# Altium PCB PCB1.PcbDoc (part 1 of 2)
Units mm, origin at the board's own origin, x right, y up, seen from the top; angles counter-clockwise.
Board outline 228.75 x 76.35 mm, 2 copper layers (Top Layer, Bottom Layer); 114 components, 129 nets, 731 pads, 121 vias.
Unrouted connection lines stored in the file: 10.
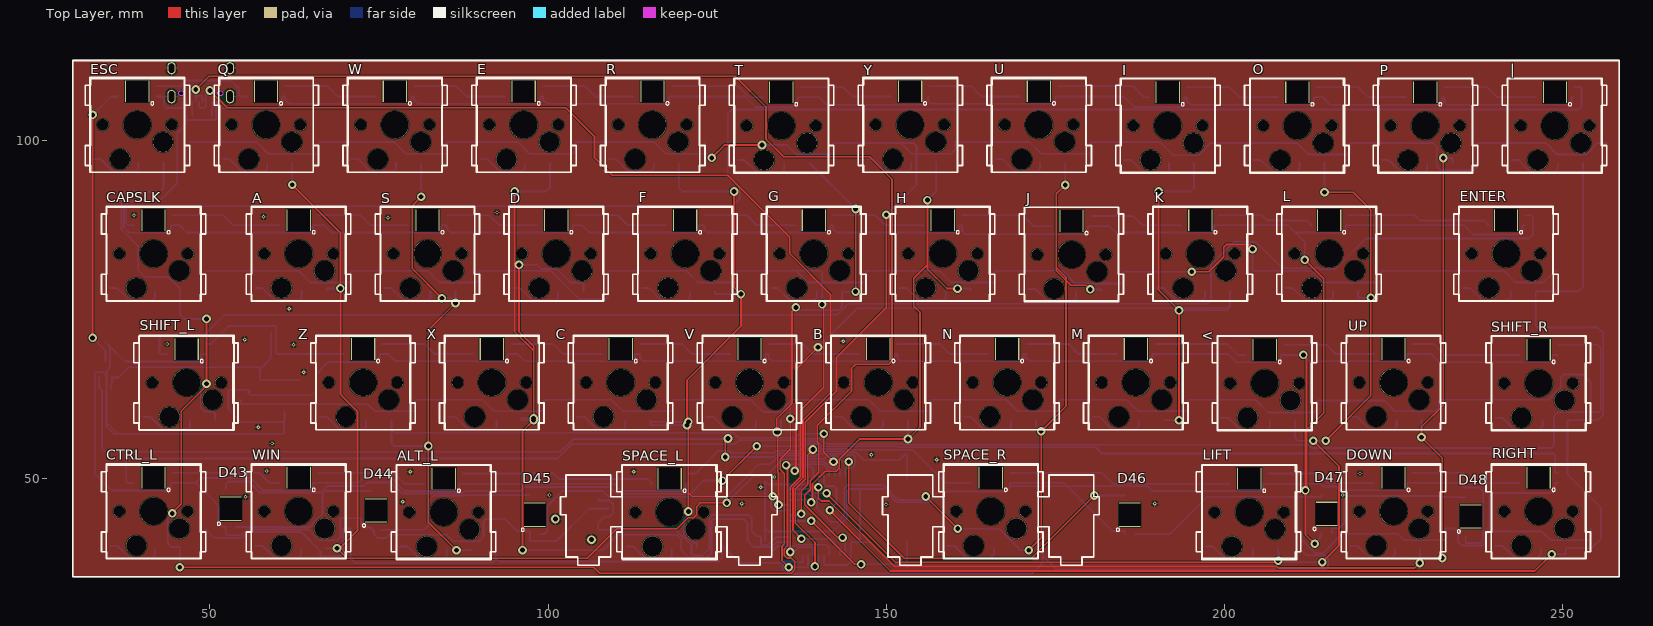
[diagram p0: Top Layer view]
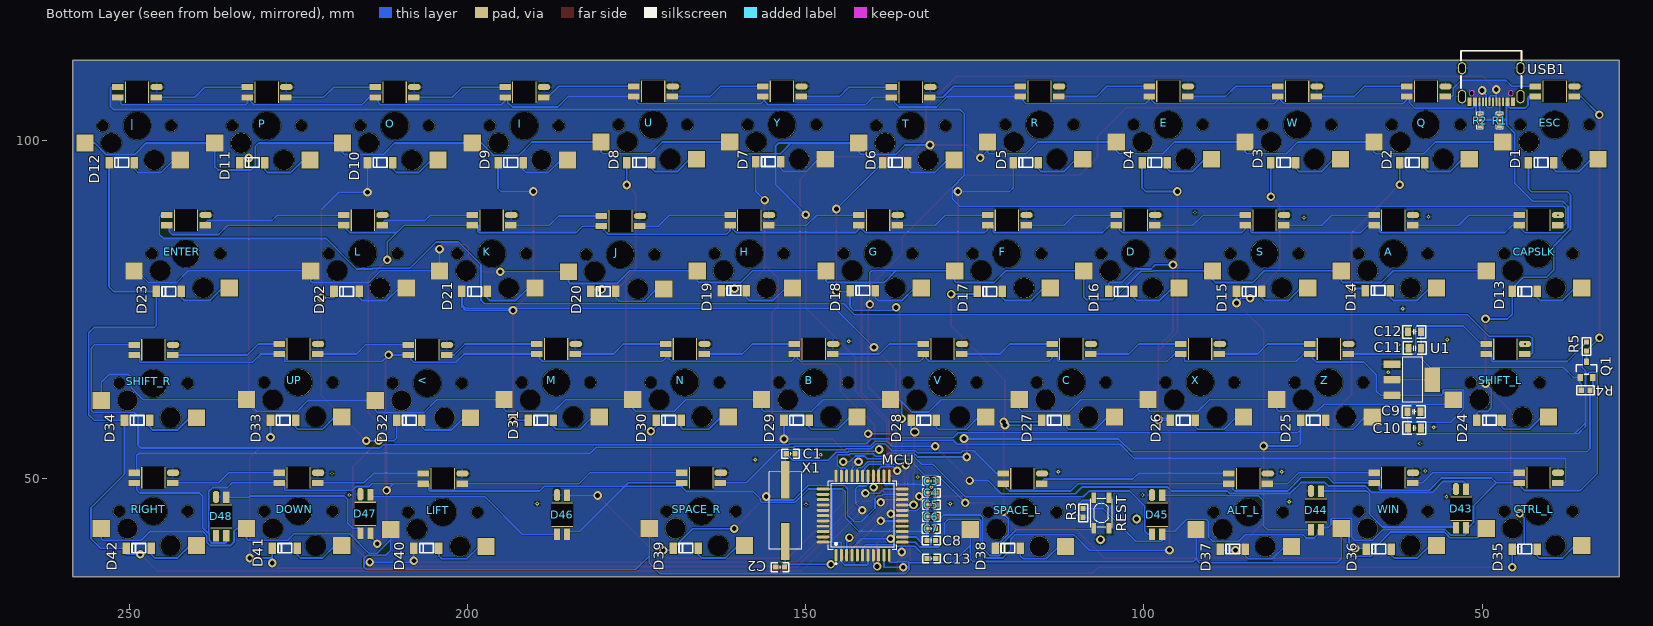
[diagram p1: Bottom Layer view, seen from below]
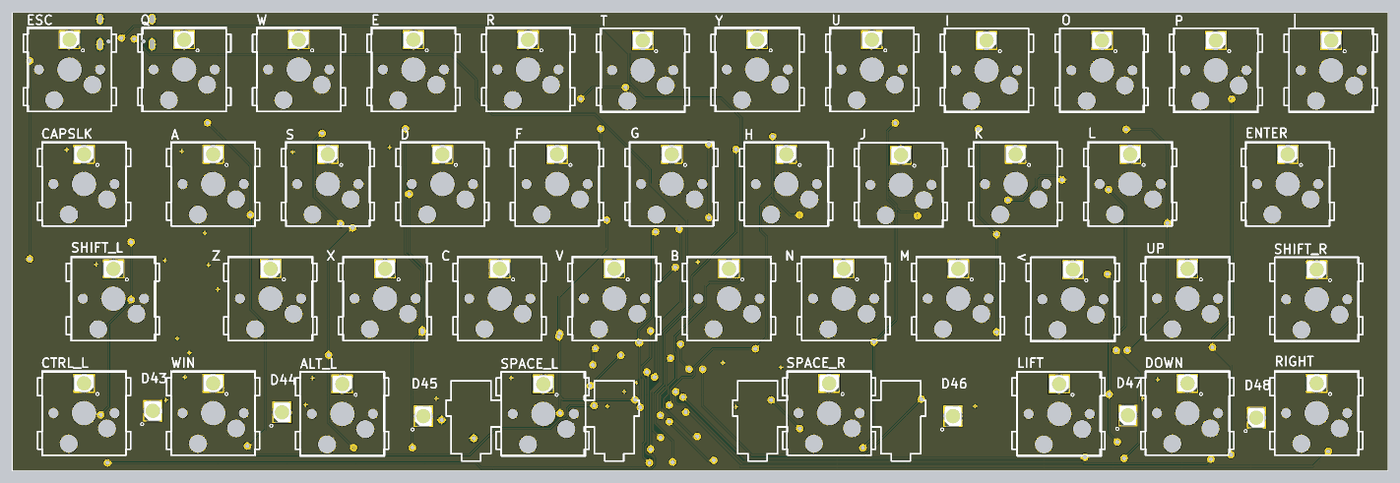
[diagram p3: 3D render of the assembled board from above, using the file's embedded part models]
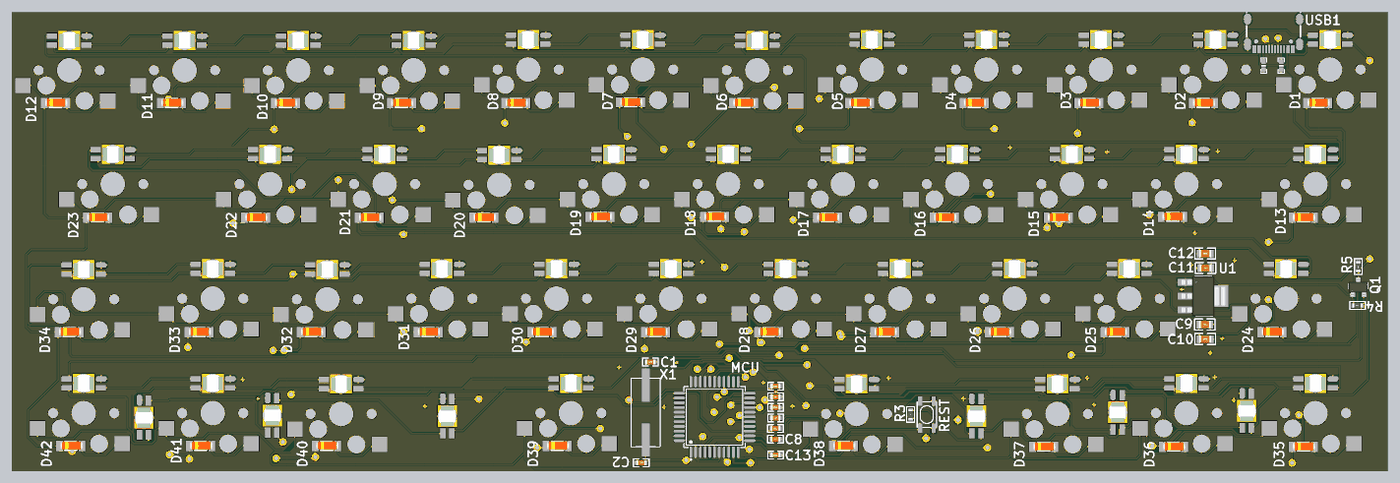
[diagram p4: 3D render of the assembled board from below, using the file's embedded part models]

## Layer stack, top to bottom
Top Solder: solder mask 0.0102, Solder Resist, Dk 3.5
Top Layer: signal copper 0.0356
Dielectric 1: dielectric 0.32, FR-4, Dk 4.8
Bottom Layer: signal copper 0.0356
Bottom Solder: solder mask 0.0102, Solder Resist, Dk 3.5

## Board outline
29.686,35.54 29.686,111.891 258.436,111.891 258.436,35.54

## Design rules (kind name [scope] priority, off if disabled: settings)
Clearance [All] p1: gap=0.1 ignorepadtopadclearanceinfootprint=FALSE
HoleToHoleClearance [All] p1: gap=0.245 allowstackedmicrovias=TRUE
MinimumSolderMaskSliver [All] p1: minsoldermaskwidth=0.245
PolygonConnect [All] p1: connectstyle=Relief reliefconductorwidth=0.254 reliefentries=4 polygonreliefangle="90 Angle" airgapwidth=0.254
RoutingVias [All] p1: holewidth=0.711 width=1.27 viastyle="Through Hole" minholewidth=0.711 minwidth=1.27 maxholewidth=0.711 maxwidth=1.27
SilkToSilkClearance [All] p1: silktosilkclearance=0.1
SilkToSolderMaskClearance [IsPad] p1: minsilkscreentomaskgap=0.245 clearancetoexposedcopper=TRUE
SolderMaskExpansion [All] p1: expansion=0.102 istentingtop=FALSE
Width [All] p1: maxlimit=0.5 minlimit=0.1 preferedwidth=0.254
26 further rules are at their usual default settings.

## Classes and differential pairs
component class Sheet3: < ALT_L B C CTRL_L D24 D25 D26 D27 D28 D29 D30 D31 D32 D33 D34 D35 D36 D37 D38 D39 D40 D41 D42 DOWN LIFT M N RIGHT SHIFT_L SHIFT_R SPACE_L SPACE_R UP V WIN X Z
component class Sheet2: A C9 C10 C11 C12 CAPSLK D D13 D14 D15 D16 D17 D18 D19 D20 D21 D22 D23 D43 D44 D45 D46 D47 D48 ENTER F G H J K L Q1 R4 R5 S U1
component class Sheet1: C1 C2 C3 C4 C5 C6 C7 C8 C13 D1 D2 D3 D4 D5 D6 D7 D8 D9 D10 D11 D12 E ESC I MCU O P Q R R1 R2 R3 REST T U USB1 W X1 Y

## Components (designator, comment, footprint, x,y, rotation, side; value= is the part's Value field where it differs from the comment)
< "Cheery MX 热拔插轴" MX_SW-HOTPLUG 205.994,64.135 r0 top locked
A "Cheery MX 热拔插轴" MX_SW-HOTPLUG 63.119,83.312 r0 top locked
ALT_L "Cheery MX 热拔插轴" MX_SW-HOTPLUG 84.582,45.085 r0 top locked
B "Cheery MX 热拔插轴" MX_SW-HOTPLUG 148.844,64.262 r0 top locked
C "Cheery MX 热拔插轴" MX_SW-HOTPLUG 110.744,64.262 r0 top locked
C1 "C 0603_L" "C 0603_L" 152.258,53.721 r0 bottom value=20pF
C2 "C 0603_L" "C 0603_L" 153.797,36.957 r180 bottom value=20pF
C3 "C 0603_L" "C 0603_L" 131.445,49.681 r0 bottom value=0.1uF
C4 "C 0603_L" "C 0603_L" 131.445,47.924 r0 bottom value=0.1uF
C5 "C 0603_L" "C 0603_L" 131.445,46.166 r0 bottom value=0.1uF
C6 "C 0603_L" "C 0603_L" 131.445,44.409 r0 bottom value=0.1uF
C7 "C 0603_L" "C 0603_L" 131.46,42.651 r0 bottom value=0.1uF
C8 "C 0603_L" "C 0603_L" 131.46,40.894 r0 bottom value=0.1uF
C9 "C 0805_L" "C 0805_L" 60.071,59.944 r0 bottom value=47uF
C10 "C 0805_L" "C 0805_L" 60.005,57.531 r0 bottom value=47uF
C11 "C 0805_L" "C 0805_L" 59.944,69.342 r180 bottom value=47uF
C12 "C 0805_L" "C 0805_L" 60.005,71.755 r180 bottom value=47uF
C13 "C 0603_L" "C 0603_L" 131.445,38.227 r0 bottom value=1uF
CAPSLK "Cheery MX 热拔插轴" MX_SW-HOTPLUG 41.656,83.312 r0 top locked
CTRL_L "Cheery MX 热拔插轴" MX_SW-HOTPLUG 41.656,45.212 r0 top locked
D "Cheery MX 热拔插轴" MX_SW-HOTPLUG 101.219,83.312 r0 top locked
D1 "LL-34" LL-34_L3.7-W1.6-RD 41.275,96.774 r180 bottom
D2 "LL-34" LL-34_L3.7-W1.6-RD 60.325,96.774 r180 bottom
D3 "LL-34" LL-34_L3.7-W1.6-RD 79.375,96.774 r180 bottom
D4 "LL-34" LL-34_L3.7-W1.6-RD 98.425,96.774 r180 bottom
D5 "LL-34" LL-34_L3.7-W1.6-RD 117.475,96.774 r180 bottom
D6 "LL-34" LL-34_L3.7-W1.6-RD 136.779,96.774 r180 bottom
D7 "LL-34" LL-34_L3.7-W1.6-RD 155.575,96.901 r180 bottom
D8 "LL-34" LL-34_L3.7-W1.6-RD 174.625,96.774 r180 bottom
D9 "LL-34" LL-34_L3.7-W1.6-RD 193.675,96.774 r180 bottom
D10 "LL-34" LL-34_L3.7-W1.6-RD 212.979,96.774 r180 bottom
D11 "LL-34" LL-34_L3.7-W1.6-RD 231.902,96.774 r180 bottom
D12 "LL-34" LL-34_L3.7-W1.6-RD 251.206,96.774 r180 bottom
D13 "LL-34" LL-34_L3.7-W1.6-RD 43.688,77.724 r180 bottom
D14 "LL-34" LL-34_L3.7-W1.6-RD 65.405,77.851 r180 bottom
D15 "LL-34" LL-34_L3.7-W1.6-RD 84.455,77.724 r180 bottom
D16 "LL-34" LL-34_L3.7-W1.6-RD 103.378,77.724 r180 bottom
D17 "LL-34" LL-34_L3.7-W1.6-RD 122.809,77.724 r180 bottom
D18 "LL-34" LL-34_L3.7-W1.6-RD 141.605,77.851 r180 bottom
D19 "LL-34" LL-34_L3.7-W1.6-RD 160.655,77.851 r180 bottom
D20 "LL-34" LL-34_L3.7-W1.6-RD 179.959,77.724 r180 bottom
D21 "LL-34" LL-34_L3.7-W1.6-RD 199.009,77.724 r180 bottom
D22 "LL-34" LL-34_L3.7-W1.6-RD 217.932,77.724 r180 bottom
D23 "LL-34" LL-34_L3.7-W1.6-RD 244.221,77.724 r180 bottom
D24 "LL-34" LL-34_L3.7-W1.6-RD 48.895,58.674 r180 bottom
D25 "LL-34" LL-34_L3.7-W1.6-RD 74.981,58.674 r180 bottom
D26 "LL-34" LL-34_L3.7-W1.6-RD 94.234,58.674 r180 bottom
D27 "LL-34" LL-34_L3.7-W1.6-RD 113.284,58.674 r180 bottom
D28 "LL-34" LL-34_L3.7-W1.6-RD 132.588,58.674 r180 bottom
D29 "LL-34" LL-34_L3.7-W1.6-RD 151.384,58.674 r180 bottom
D30 "LL-34" LL-34_L3.7-W1.6-RD 170.307,58.674 r180 bottom
D31 "LL-34" LL-34_L3.7-W1.6-RD 189.23,58.674 r180 bottom
D32 "LL-34" LL-34_L3.7-W1.6-RD 208.661,58.674 r180 bottom
D33 "LL-34" LL-34_L3.7-W1.6-RD 227.33,58.674 r180 bottom
D34 "LL-34" LL-34_L3.7-W1.6-RD 248.92,58.674 r180 bottom
D35 "LL-34" LL-34_L3.7-W1.6-RD 43.688,39.624 r180 bottom
D36 "LL-34" LL-34_L3.7-W1.6-RD 65.278,39.624 r180 bottom
D37 "LL-34" LL-34_L3.7-W1.6-RD 86.868,39.624 r180 bottom
D38 "LL-34" LL-34_L3.7-W1.6-RD 120.142,39.751 r180 bottom
D39 "LL-34" LL-34_L3.7-W1.6-RD 167.767,39.751 r180 bottom
D40 "LL-34" LL-34_L3.7-W1.6-RD 206.121,39.751 r180 bottom
D41 "LL-34" LL-34_L3.7-W1.6-RD 227.076,39.751 r180 bottom
D42 "LL-34" LL-34_L3.7-W1.6-RD 248.666,39.751 r180 bottom
D43 "WS2812B-3528" WS2812B-3528，反贴RGBLED灯 53.09,45.593 r270 top
D44 "WS2812B-3528" WS2812B-3528，反贴RGBLED灯 74.553,45.339 r270 top
D45 "WS2812B-3528" WS2812B-3528，反贴RGBLED灯 98.044,44.704 r270 top
D46 "WS2812B-3528" WS2812B-3528，反贴RGBLED灯 186.055,44.704 r270 top
D47 "WS2812B-3528" WS2812B-3528，反贴RGBLED灯 215.142,44.831 r270 top
D48 "WS2812B-3528" WS2812B-3528，反贴RGBLED灯 236.478,44.45 r270 top
DOWN "Cheery MX 热拔插轴" MX_SW-HOTPLUG 225.044,45.212 r0 top locked
E "Cheery MX 热拔插轴" MX_SW-HOTPLUG 96.393,102.362 r0 top locked
ENTER "Cheery MX 热拔插轴" MX_SW-HOTPLUG 241.681,83.312 r0 top locked
ESC "Cheery MX 热拔插轴" MX_SW-HOTPLUG 39.243,102.362 r0 top locked
F "Cheery MX 热拔插轴" MX_SW-HOTPLUG 120.269,83.312 r0 top locked
G "Cheery MX 热拔插轴" MX_SW-HOTPLUG 139.319,83.312 r0 top locked
H "Cheery MX 热拔插轴" MX_SW-HOTPLUG 158.369,83.312 r0 top locked
I "Cheery MX 热拔插轴" MX_SW-HOTPLUG 191.643,102.235 r0 top locked
J "Cheery MX 热拔插轴" MX_SW-HOTPLUG 177.419,83.185 r0 top locked
K "Cheery MX 热拔插轴" MX_SW-HOTPLUG 196.469,83.312 r0 top locked
L "Cheery MX 热拔插轴" MX_SW-HOTPLUG 215.519,83.312 r0 top locked
LIFT "Cheery MX 热拔插轴" MX_SW-HOTPLUG 203.708,45.085 r0 top locked
M "Cheery MX 热拔插轴" MX_SW-HOTPLUG 186.944,64.262 r0 top locked
MCU "ATMEGA32U4-AU" QFP-44_L10.0-W10.0-P0.80-LS13.2-BL 141.605,44.577 r180 bottom locked
N "Cheery MX 热拔插轴" MX_SW-HOTPLUG 167.894,64.262 r0 top locked
O "Cheery MX 热拔插轴" MX_SW-HOTPLUG 210.82,102.235 r0 top locked
P "Cheery MX 热拔插轴" MX_SW-HOTPLUG 229.743,102.235 r0 top locked
Q "Cheery MX 热拔插轴" MX_SW-HOTPLUG 58.293,102.362 r0 top locked
Q1 "AO3400A" AO3400A 34.544,66.167 r270 bottom
R "Cheery MX 热拔插轴" MX_SW-HOTPLUG 115.443,102.362 r0 top locked
R1 "603" 0603P 47.371,102.997 r270 bottom value=5.1K
R2 "603" 0603P 50.292,102.997 r90 bottom value=5.1K
R3 "603" "R 0603_L" 108.994,44.973 r270 bottom value=10K
R4 "R 0603_L" "R 0603_L" 34.671,63.108 r0 bottom value=4.7K
R5 "R 0603_L" "R 0603_L" 34.544,69.596 r90 bottom value=4.7K
REST "SMD，3.3 x 4.2 x 2.5mm" SMD-3.2*4.2 106.299,44.958 r90 bottom
RIGHT "Cheery MX 热拔插轴" MX_SW-HOTPLUG 246.507,45.212 r0 top locked
S "Cheery MX 热拔插轴" MX_SW-HOTPLUG 82.169,83.312 r0 top locked
SHIFT_L "Cheery MX 热拔插轴" MX_SW-HOTPLUG 46.553,64.25 r0 top locked
SHIFT_R "Cheery MX 热拔插轴" MX_SW-HOTPLUG 246.507,64.135 r0 top locked
SPACE_L "Cheery MX 热拔插轴" MX_SW-HOTPLUG 117.983,45.085 r0 top locked
SPACE_R "Cheery MX 热拔插轴" MX_SW-HOTPLUG 165.481,45.212 r0 top locked
T "Cheery MX 热拔插轴" MX_SW-HOTPLUG 134.493,102.235 r0 top locked
U "Cheery MX 热拔插轴" MX_SW-HOTPLUG 172.593,102.362 r0 top locked
U1 "SPX1117M3-L-3-3" SPX1117M3-L-3-3/TR 60.325,64.669 r0 bottom
UP "Cheery MX 热拔插轴" MX_SW-HOTPLUG 225.044,64.262 r0 top locked
USB1 "USB-TYPE-C-018" USB-C_SMD-TYPE-C-31-M-12 48.634,108.26 r0 bottom locked
V "Cheery MX 热拔插轴" MX_SW-HOTPLUG 129.794,64.262 r0 top locked
W "Cheery MX 热拔插轴" MX_SW-HOTPLUG 77.343,102.362 r0 top locked
WIN "Cheery MX 热拔插轴" MX_SW-HOTPLUG 63.119,45.212 r0 top locked
X "Cheery MX 热拔插轴" MX_SW-HOTPLUG 91.694,64.262 r0 top locked
X1 "X49SM16MSD2SC" HC-49S_L11.4-W4.8 153.035,45.317 r270 bottom value=16MHz
Y "Cheery MX 热拔插轴" MX_SW-HOTPLUG 153.543,102.362 r0 top locked
Z "Cheery MX 热拔插轴" MX_SW-HOTPLUG 72.644,64.262 r0 top locked
| "Cheery MX 热拔插轴" MX_SW-HOTPLUG 248.92,102.235 r0 top locked

## Footprints (in the part's own frame and the unit in brackets; to place one, negate y for a bottom-side part, rotate by r counter-clockwise, add the part's x,y. Pads: shape width x height; smd on the part's side, far side on the other; paste and mask are expansions set on the pad)
0603P [mil]
  rect 30x30 smd: 1(-27,0) 2(27.5,-0.06)
  silkscreen extent -50,-20 50,20
AO3400A [mm] "SOT-23_L2.9-W1.3-P1.90-LS2.4-BR"
  rect 1x0.8 smd mask+0.051: 1(1.15,-0.95) 2(1.15,0.95) 3(-1.15,0)
  silkscreen extent -0.7,-1.5 0.7,1.5, body extent -1.5,-1.55 1.5,1.55, height 1.25
"C 0603_L" [mil] "无极性贴片电容                                       淘宝ID:黄晶宝石"
  rect 30x30 smd: 1(-25.59,0) 2(25.59,0)
  silkscreen extent -51,-26 51,26, body extent -31,-16 31,16, height 32
"C 0805_L" [mil] "无极性贴片电容                                        淘宝ID:黄晶宝石"
  rect 35x50 smd: 1(-37.4,0) 2(37.4,0)
  silkscreen extent -67,-36 67,36, body extent -39,-24 39,24, height 20
HC-49S_L11.4-W4.8 [mm]
  rect 5.5x1.3 smd mask+0.051: 1(-4.553,0) 2(4.553,0)
  silkscreen extent -5.72,-2.41 5.71,2.41
LL-34_L3.7-W1.6-RD [mil]
  rect 44x67 smd: 1(73,0) 2(-73,0)
  silkscreen extent -39,-27 41,28, body extent -68,-29 78,34, height 63
MX_SW-HOTPLUG [mm] "with Fixation pins  1-Pole w/Diode"
  rect 2.55x2.5 smd far side: 1(7.7,-2.54) 2(-6.4,-5.08)
  rect 1.7x0.9 smd far side: 3(2.85,4.203) 4(2.85,5.703) 6(-2.85,4.203)
  oct 1.8x0.9 smd far side: 5(-2.9,5.703)
  round 1.702 hole 1.702: ""(-5.08,0) ""(5.08,0)
  round 3 hole 3: ""(-2.54,-5.08) ""(3.81,-2.54)
  round 4.064 hole 4.064: ""(0,0)
  rect 3.6x3.2 hole 3.2 square: ""(0,4.953)
  silkscreen extent -7,-7 7,7, body extent -7.82,-8.16 7.82,8.16, height 2.55
QFP-44_L10.0-W10.0-P0.80-LS13.2-BL [mil]
  oval 17.36x74.62 smd mask+2: 1(-155,-230.37) 2(-124,-230.37) 3(-93,-230.37) 4(-62,-230.37) 5(-31,-230.37) 6(0,-230.37) 7(31,-230.37) 8(62,-230.37) 9(93,-230.37) 10(124,-230.37) 11(155,-230.37) 23(155,230.37) 24(124,230.37) 25(93,230.37) 26(62,230.37) 27(31,230.37) 28(0,230.37) 29(-31,230.37) 30(-62,230.37) 31(-93,230.37) 32(-124,230.37) 33(-155,230.37)
  oval 74.62x17.36 smd mask+2: 12(230.37,-155) 13(230.37,-124) 14(230.37,-93) 15(230.37,-62) 16(230.37,-31) 17(230.37,0) 18(230.37,31) 19(230.37,62) 20(230.37,93) 21(230.37,124) 22(230.37,155) 34(-230.37,155) 35(-230.37,124) 36(-230.37,93) 37(-230.37,62) 38(-230.37,31) 39(-230.37,0) 40(-230.37,-31) 41(-230.37,-62) 42(-230.37,-93) 43(-230.37,-124) 44(-230.37,-155)
  silkscreen extent -200,-283 200,200
"R 0603_L" [mil] "1/10W贴片电阻                 淘宝ID:黄晶宝石"
  rect 30x30 smd: 1(-25.59,0) 2(25.59,0)
  silkscreen extent -51,-26 51,26, body extent -31,-16 31,16, height 16
SMD-3.2*4.2 [mm]
  rect 1.5x0.7 smd: 1(-2.25,1.125) 1(2.25,1.125) 2(-2.25,-1.125) 2(2.25,-1.125)
  silkscreen extent -2.1,-1.6 2.1,1.6, body extent -2.73,-1.6 2.47,1.58, height 1.8
SPX1117M3-L-3-3/TR [mm] "SOT-223-3_L6.5-W3.4-P2.30-LS7.0-BR"
  rect 2.5x1.1 smd mask+0.051: 1(2.97,-2.3) 2(2.97,0) 3(2.97,2.3)
  rect 2.34x3.6 smd mask+0.051: 4(-2.97,0)
  silkscreen extent -1.57,-3.33 1.37,3.33, body extent -3.65,-3.35 3.64,3.35, height 1.81
USB-C_SMD-TYPE-C-31-M-12 [mm]
  oval 1.2x2 hole 0.8 slot 1.6 at 90 deg mask+0.051: 0(-4.325,1.716) 1(4.325,1.716)
  oval 1.2x1.8 hole 0.8 slot 1.4 at 90 deg mask+0.051: 2(4.325,-2.484) 3(-4.325,-2.484)
  rect 0.3x1.3 smd mask+0.051: A1(-3.35,2.484) A4(-2.55,2.484) A5(-1.25,2.484) A6(-0.25,2.484) A7(0.25,2.484) A8(1.25,2.484) A9(2.55,2.484) A12(3.35,2.484) B1(3.05,2.484) B4(2.25,2.484) B5(1.75,2.484) B6(0.75,2.484) B7(-0.75,2.484) B8(-1.75,2.484) B9(-2.25,2.484) B12(-3.05,2.484)
  Keep-Out Layer board cut-out: -2.525,1.216 -2.562,1.378 -2.666,1.509 -2.816,1.581 -2.983,1.581 -3.134,1.509 -3.238,1.378 -3.275,1.216 -3.275,1.216 -3.238,1.053 -3.134,0.922 -2.983,0.85 -2.816,0.85 -2.666,0.922 -2.562,1.053 -2.525,1.216
  Keep-Out Layer board cut-out: 3.275,1.216 3.238,1.378 3.134,1.509 2.983,1.581 2.816,1.581 2.666,1.509 2.562,1.378 2.525,1.216 2.525,1.216 2.562,1.053 2.666,0.922 2.816,0.85 2.983,0.85 3.134,0.922 3.238,1.053 3.275,1.216
  silkscreen extent -4.47,-5.08 4.47,0.5
WS2812B-3528，反贴RGBLED灯 [mm] "WS2812B-3528"
  oct 1.8x0.9 smd far side: 1(-2.9,0.75)
  rect 1.7x0.9 smd far side: 2(-2.85,-0.75) 3(2.85,-0.75) 4(2.85,0.75)
  rect 3.6x3.2 hole 3.2 square: ""(0,0)
  silkscreen extent 1.97,-2.03 2.47,-1.53, body extent -1.75,-1.4 1.75,1.4, height 1.39

## Part data
< A ALT_L B C CAPSLK CTRL_L D DOWN E ENTER ESC F G H I J K L LIFT M N O P Q R RIGHT S SHIFT_L SHIFT_R SPACE_L SPACE_R T U UP V W WIN X Y Z |: "机械键盘轴（Cheery MX）"
C1 C2 C3 C4 C5 C6 C7 C8 C13: "贴片电容器（Capacitor）", LatestRevisionDate=17-Jul-2002, LatestRevisionNote="Re-released for DXP Platform.", PackageDescription="Radial Cap, Thru-Hole; 2 Leads; 0.3 in Pin Spacing", PackageReference=RAD-0.3, Published=8-Jun-2000, Publisher="Altium Limited"
C9 C10 C11 C12: "Capacitor", LatestRevisionDate=17-Jul-2002, LatestRevisionNote="Re-released for DXP Platform.", PackageDescription="Radial Cap, Thru-Hole; 2 Leads; 0.3 in Pin Spacing", PackageReference=RAD-0.3, Published=8-Jun-2000, Publisher="Altium Limited"
D1 D2 D3 D4 D5 D6 D7 D8 D9 D10 D11 D12 D13 D14 D15 D16 D17 D18 D19 D20 D21 D22 D23 D24 D25 D26 D27 D28 D29 D30 D31 D32 D33 D34 D35 D36 D37 D38 D39 D40 D41 D42: library part LL4148, "开关二极管（Switching diode）", Code_JEDEC=DO-214-AB, LatestRevisionDate=17-Jul-2002, LatestRevisionNote="Re-released for DXP Platform.", PackageDescription="DO-214-AB/SMC; 2 C-Bend Leads; Body 7.9 x 5.9 mm, inc. leads (LxW)", PackageReference=SMC, PackageVersion=Sep-1996, Published=8-Jun-2000, Publisher="Altium Limited"
D43 D44 D45 D46 D47 D48: "WS2812B-3528,反贴LED，RGB灯"
MCU: "MCU，ATMEGA32U4-AU", JLCPCB Part Class="Extended Part", LCSC Part Name="AVR 16MHz 闪存：16K@x16bit RAM：2.5KB", Manufacturer=MICROCHIP(美国微芯), Maximum Frequency=16MHz, Operating Temperature Range=-40℃~+85℃, Supply Voltage Range=2.7V~5.5V, ADC (Units/Channels/bits)=1@x12ch/10bit, Add into BOM=yes, Convert to PCB=yes, CPU Core=AVR, Datasheet=https://atta.szlcsc.com/upload/public/pdf/source/20150811/1457707338800.pdf, Device=ATMEGA32U4-AU, EEPROM/Data FLASH Size=1KB, GPIO Ports Number=26, Internal Oscillator=有, Manufacturer Part=ATMEGA32U4-AU, Name=ATMEGA32U4-AU, Peripherals / Functions / Protocol Stacks=欠压检测/复位；看门狗；POR；PWM, Program FLASH Size=16K@x16bit, RAM Size=2.5KB, Supplier=LCSC, Supplier Footprint=QFP-44_10x10x08P, Supplier Part=C44854, Symbol=ATMEGA32U4-AU
Q1: library part 2N7002,215, Continuous Drain Current (Id)=300mA, Drain Source On Resistance (RDS(on)@Vgs,Id)=5Ω@10V,500mA, Drain Source Voltage (Vdss)=60V, Gate Threshold Voltage (Vgs(th)@Id)=2.5V@250A, JLCPCB Part Class="Extended Part", LCSC Part Name="N沟道 60V 300mA", Manufacturer=Nexperia(安世), Power Dissipation (Pd)=830mW, Add into BOM=yes, Convert to PCB=yes, Datasheet=https://atta.szlcsc.com/upload/public/pdf/source/20170103/1483439882638.pdf, Device=2N7002,215, Manufacturer Part=2N7002,215, Supplier=LCSC, Supplier Footprint=SOT-23(SOT-23-3), Supplier Part=C65189, Symbol=2N7002,215, Type=N沟道
R1 R2: library part "R 0603_P", "贴片电阻（Resistor）", LatestRevisionDate=17-Jul-2002, LatestRevisionNote="Re-released for DXP Platform.", PackageDescription="Axial Device, Thru-Hole; 2 Leads; 0.4 in Pin Spacing", PackageReference=AXIAL-0.4, Published=8-Jun-2000, Publisher="Altium Limited"
R3: library part "R 0603_L", "贴片电阻（Resistor）", LatestRevisionDate=17-Jul-2002, LatestRevisionNote="Re-released for DXP Platform.", PackageDescription="Axial Device, Thru-Hole; 2 Leads; 0.4 in Pin Spacing", PackageReference=AXIAL-0.4, Published=8-Jun-2000, Publisher="Altium Limited"
R4 R5: "Resistor", LatestRevisionDate=17-Jul-2002, LatestRevisionNote="Re-released for DXP Platform.", PackageDescription="Axial Device, Thru-Hole; 2 Leads; 0.4 in Pin Spacing", PackageReference=AXIAL-0.4, Published=8-Jun-2000, Publisher="Altium Limited"
REST: library part 260GF, "轻触开关（Touch Switch）", LatestRevisionDate=17-Jul-2002, LatestRevisionNote="Re-released for DXP Platform.", PackageDescription="Switch; 2 Leads", PackageReference=SPST-2, Published=24-Mar-1999, Publisher="Altium Limited"
U1: Dropout Voltage=5V@(10mA), JLCPCB Part Class="Extended Part", LCSC Part Name="Vin=40V Vout=1.3V~37V 1A", Manufacturer=UTC(友顺), Manufacturer Part=LM317G-AA3-R, Maximum Input Voltage=40V, Output Current=1A, Output Voltage=1.3V~37V, Add into BOM=yes, Convert to PCB=yes, Datasheet=https://atta.szlcsc.com/upload/public/pdf/source/20160416/1460799387250.pdf, Device=LM317G-AA3-R, Number of Outputs=1, Output Polarity=正, Output Type=可调, Supplier=LCSC, Supplier Footprint=SOT-223, Supplier Part=C19651, Symbol=LM317G-AA3-R
USB1: "通用通信总线接口（USB）,16pin", Current Rating - Power (Max)=3A, JLCPCB Part Class="Extended Part", Manufacturer=DEALON(德艺隆), Operating Temperature Range=-25℃~+85℃, Add into BOM=yes, Connector Type=Type-C, Convert to PCB=yes, Datasheet=https://atta.szlcsc.com/upload/public/pdf/source/20211217/CCD3D517E355E8E0CC52ABD8D5784AD8.pdf, Device=USB-TYPE-C-018, Gender=母座, LCSC Part Name=USB-TYPE-C-018, Manufacturer Part=USB-TYPE-C-018, Mounting Style=卧贴, Name=USB-TYPE-C-018, Number of Contacts=16, Number of Ports=1, Standard=-, Supplier=LCSC, Supplier Footprint=SMD, Supplier Part=C2927038, Symbol=USB-TYPE-C-018
X1: "无源晶振，2PIN", Frequency Stability=±30ppm, Frequency Tolerance=±20ppm, JLCPCB Part Class="Extended Part", LCSC Part Name="HC-49SMD 16MHz ±20ppm 20pF", Load Capacitance=20pF, Manufacturer=YXC(扬兴晶振), Operating Temperature=-20℃~+70℃, Add into BOM=yes, Convert to PCB=yes, Crystal Type=49SMD, Datasheet=https://atta.szlcsc.com/upload/public/pdf/source/20210329/C106809_0E91E60850A780B284B63D653DC40EA4.pdf, Device=X49SM16MSD2SC, Manufacturer Part=X49SM16MSD2SC, Name=16MHz, Supplier=LCSC, Supplier Footprint=HC-49S-SMD-2P, Supplier Part=C12676, Symbol=X49SM16MSD2SC

## Via types
v1: diameter 1.27, hole 0.711, Top Layer to Bottom Layer, 94 vias
v2: diameter 0.5, hole 0.245, Top Layer to Bottom Layer, 27 vias

## Nets (pads, with @x,y where several pads share a name; then routed paths per layer and width w, separated by ;. In a path a pad name is that pad's centre, name@x,y a point inside that pad or via, vN(x,y) a via of type N, cw(c..) or ccw(c..) an arc to the next point about the centre after c; other vN are vias at no path point)
AREF: MCU.42
D+: MCU.4 USB1.A6 USB1.B6 | length 158.3
  Top Layer w0.254: v1(49.987,107.442) 52.553,104.877 102.641,104.877 106.858,100.66 106.858,97.561 109.499,94.92 126.568,94.92 135.738,85.75 135.738,83.337 141.757,77.318 141.757,62.713 137.701,58.656 137.701,50.173 136.22,48.692 136.22,42.393 v1(137.465,41.148)
  Bottom Layer w0.254: USB1.A6@48.384,105.776 48.384,105.054 48.562,104.877 49.174,104.877 49.384,105.086 USB1.B6@49.384,105.776 49.384,106.839 v1(49.987,107.442) ; v1(137.465,41.148) 141.811,41.148 143.18,39.78 MCU.4@143.18,38.726
D-: MCU.3 USB1.A7 USB1.B7 | length 183.5
  Top Layer w0.254: v1(47.884,107.59) 49.844,109.55 127.686,109.55 132.232,105.004 132.232,100.252 134.847,97.638 147.574,97.638 150.876,94.336 150.876,67.462 150.368,66.954 145.491,66.954 144.882,66.345 144.882,62.992 139.825,57.936 139.825,55.421 140.029,55.218 140.029,50.993 138.763,49.728 138.763,48.409 137.973,47.619 137.973,46.203 142.85,41.326 v1(143.561,41.326)
  Bottom Layer w0.254: USB1.B7@47.884,105.776 47.884,106.482 ; v1(47.884,107.59) 47.884,106.482 ; USB1.A7@48.884,105.776 48.884,106.539 48.768,106.655 48.057,106.655 47.884,106.482 ; v1(143.561,41.326) 143.967,40.919 MCU.3@143.967,38.726
DIN: ESC.6 Q1.3 R5.1 | length 42.2
  Top Layer w0.254: v1(32.639,70.851) v1(32.639,103.847)
  Bottom Layer w0.254: v1(32.639,70.851) R5.1@34.544,68.946 34.544,68.123 Q1.3@34.544,67.317 ; v1(32.639,103.847) 35.357,106.565 ESC.6@36.393,106.565
DIN_1: CAPSLK.6 |.4 | length 238.8
  Bottom Layer w0.254: CAPSLK.6@38.806,87.515 37.896,87.515 37.629,87.782 37.629,90.018 37.934,90.322 127.254,90.322 128.372,91.44 128.372,93.091 126.568,94.894 126.568,104.038 127.152,104.623 252.374,104.623 252.857,105.105 252.857,107.798 252.717,107.938 |.4@251.77,107.938
DIN_2: ENTER.4 SHIFT_L.6 | length 223.1
  Bottom Layer w0.254: SHIFT_L.6@43.703,68.453 42.748,68.453 42.52,68.682 42.52,70.714 42.926,71.12 48.971,71.12 52.146,74.295 142.799,74.295 144.424,75.921 197.561,75.921 198.044,76.403 198.044,81.692 201.403,85.051 204.661,85.051 208.559,81.153 214.071,81.153 214.173,81.051 216.453,81.051 220.974,85.573 245.059,85.573 245.618,86.131 245.618,88.798 245.401,89.015 ENTER.4@244.531,89.015
DIN_3: B.6 V.4 | length 14
  Bottom Layer w0.254: V.4@132.644,69.965 137.687,69.965 139.187,68.465 B.6@145.994,68.465
DIN_3V3_1(PC6): MCU.31 Q1.2 R4.1 | length 131.1
  Top Layer w0.254: v1(126.213,53.238) 126.213,55.575 v1(126.619,55.982)
  Bottom Layer w0.254: Q1.2@33.594,65.017 33.594,63.535 R4.1@34.021,63.108 34.021,54.447 34.468,54 101.829,54 103.718,55.89 126.527,55.89 v1(126.619,55.982) ; v1(126.213,53.238) 133.448,53.238 134.028,53.818 137.828,53.818 138.272,53.374 139.673,53.374 140.043,53.743 143.431,53.743 143.581,53.592 145.212,53.592 145.339,53.465 145.339,52.019 144.932,51.613 144.17,51.613 143.967,51.41 MCU.31@143.967,50.428
DIN_4: SHIFT_R.6 UP.4 | length 16.4
  Bottom Layer w0.254: UP.4@227.894,69.965 231.013,69.965 232.64,68.338 SHIFT_R.6@243.657,68.338
DIN_5: CTRL_L.6 SHIFT_R.4 | length 245.1
  Bottom Layer w0.254: CTRL_L.6@38.806,49.415 37.783,49.415 37.617,49.581 37.617,52.959 37.668,53.01 101.397,53.01 103.507,55.12 127.595,55.12 128.178,55.702 136.966,55.702 137.19,55.926 140.33,55.926 141.062,55.194 152.4,55.194 152.551,55.043 154.737,55.043 154.761,55.067 212.471,55.067 212.979,54.559 248.31,54.559 248.793,55.042 248.793,59.334 249.326,59.868 255.43,59.868 255.709,60.147 255.709,69.348 255.219,69.838 SHIFT_R.4@249.357,69.838
DIN_6: DOWN.6 LIFT.4 | length 16.2
  Bottom Layer w0.254: LIFT.4@206.558,50.788 213.995,50.788 215.368,49.415 DOWN.6@222.194,49.415
DIN_7: D43.2 RIGHT.4 | length 207.4
  Top Layer w0.254: v1(125.781,49.759) v1(130.861,54.839)
  Bottom Layer w0.254: D43.2@52.34,48.443 52.34,49.225 52.746,49.632 55.728,49.632 57.379,47.981 66.294,47.981 67.259,48.946 72.746,48.946 73.279,49.479 76.759,49.479 78.381,47.857 87.325,47.857 87.677,48.209 95.91,48.209 96.495,48.793 109.195,48.793 110.16,47.828 121.082,47.828 123.012,49.759 v1(125.781,49.759) ; v1(130.861,54.839) 137.217,54.839 137.951,55.572 139.773,55.572 140.507,54.839 151.667,54.839 151.816,54.689 181.023,54.689 181.966,53.746 248.691,53.746 248.945,53.492 248.945,50.915 RIGHT.4@249.357,50.915
DIN_8: D45.4 D46.2 | length 108.3
  Top Layer w0.254: v1(144.475,52.527) 144.475,46.431 152.654,38.252 171.501,38.252 v1(180.797,47.549)
  Bottom Layer w0.254: D45.4@98.794,41.854 98.794,41.834 99.441,41.834 99.873,42.266 99.873,45.974 102.108,48.209 108.102,48.209 108.966,47.346 126.39,47.346 131.198,52.153 132.881,52.153 134.191,53.464 137.248,53.464 137.733,52.98 140.943,52.98 141.353,53.389 142.67,53.389 143.532,52.527 v1(144.475,52.527) ; v1(180.797,47.549) 185.305,47.549 D46.2@185.305,47.554
DIN_9: D48.4
GND: <.5 A.5 ALT_L.5 B.5 C1.1 C2.1 C3.1 C4.1 C5.1 C6.1 C7.1 C8.1 C9.1 C10.1 C11.1 C12.1 C13.1 C.5 CAPSLK.5 CTRL_L.5 D43.1 D44.1 D45.1 D46.1 D47.1 D48.1 D.5 DOWN.5 E.5 ENTER.5 ESC.5 F.5 G.5 H.5 I.5 J.5 K.5 L.5 LIFT.5 M.5 MCU.5 MCU.15 MCU.23 MCU.35 MCU.43 N.5 O.5 P.5 Q.5 R1.2 R2.1 R.5 REST.2 RIGHT.5 S.5 SHIFT_L.5 SHIFT_R.5 SPACE_L.5 SPACE_R.5 T.5 U1.1 U.5 UP.5 USB1.0 USB1.1 USB1.2 USB1.3 USB1.A1 USB1.A12 USB1.B1 USB1.B12 V.5 W.5 WIN.5 X.5 Y.5 Z.5 |.5
  other v1: 106.426,41.021 101.092,44.069
  other v2: 149.987,46.228 128.651,46.355 189.738,46.355 78.486,46.609 55.245,47.371 100.203,47.625 217.551,47.625 131.445,48.768 133.477,50.292 220.091,50.8 79.629,51.054 112.649,51.054 58.42,51.181 157.48,52.832 147.828,53.594 59.182,55.245 57.15,57.658 63.881,65.786 62.357,69.85 43.653,69.953 143.637,70.358 55.118,70.612 61.722,75.184 76.327,88.646 57.912,88.773 38.756,89.015 92.456,89.408
KEY_POST1: E.1 ESC.1 I.1 MCU.8 O.1 P.1 Q.1 R.1 T.1 U.1 W.1 Y.1 |.1 | length 314
  Top Layer w0.254: v1(124.206,97.485) 126.111,99.39 v1(131.648,99.39) ; v1(139.471,37.059) 139.471,40.589 136.576,43.485 136.576,48.485 138.055,49.965 138.055,58.401 142.672,63.017 142.672,67.996 150.012,75.336 v1(150.012,89.078)
  Bottom Layer w0.254: ESC.1@46.943,99.822 56.896,99.822 58.623,98.095 65.739,98.095 65.993,98.349 Q.1@65.993,99.822 77.241,99.822 78.969,98.095 84.789,98.095 85.043,98.349 W.1@85.043,99.822 95.504,99.822 97.231,98.095 103.632,98.095 104.093,98.556 E.1@104.093,99.822 115.722,99.822 117.45,98.095 122.936,98.095 123.143,98.302 123.143,98.548 ; R.1@123.143,99.822 123.143,98.548 ; v1(124.206,97.485) 123.143,98.548 ; v1(131.648,99.39) 135.331,99.39 136.754,97.968 141.834,97.968 142.193,98.327 T.1@142.193,99.695 152.146,99.695 ; v1(139.471,37.059) 140.03,37.617 MCU.8@140.03,38.726 ; v1(150.012,89.078) 154.508,93.574 154.508,98.095 ; |.1@256.62,99.695 255.219,99.695 253.492,97.968 249.276,97.968 247.548,99.695 P.1@237.443,99.695 237.443,96.194 236.931,95.682 232.054,95.682 231.419,96.317 231.419,99.162 230.886,99.695 O.1@218.52,99.695 218.52,98.251 218.237,97.968 212.496,97.968 210.769,99.695 I.1@199.343,99.695 198.018,99.695 196.215,97.892 192.43,97.892 190.5,99.822 U.1@180.293,99.822 180.293,98.349 180.039,98.095 172.923,98.095 171.196,99.822 Y.1@161.243,99.822 160.223,99.822 160.223,98.704 159.614,98.095 154.508,98.095 ; 152.146,99.695 154.026,99.695 154.508,99.212 154.508,98.095 ; 152.146,99.695 153.746,98.095 154.508,98.095
KEY_POST2: A.1 CAPSLK.1 D.1 ENTER.1 F.1 G.1 H.1 J.1 K.1 L.1 MCU.9 S.1 | length 281.8
  Top Layer w0.254: v1(135.814,39.192) 135.814,48.793 137.347,50.327 137.347,60.131 140.792,63.576 140.792,75.565 v1(140.538,75.819) ; v1(195.199,80.645) 197.71,80.645 199.923,82.859 199.923,84.252 200.355,84.684 203.86,84.684 204.191,84.353 v1(204.191,83.998)
  Bottom Layer w0.254: CAPSLK.1@49.356,80.772 63.144,80.772 64.872,79.045 70.616,79.045 70.819,79.248 A.1@70.819,80.772 82.194,80.772 83.922,79.045 89.408,79.045 89.869,79.506 S.1@89.869,80.772 98.606,80.772 98.679,80.699 100.481,80.699 104.648,76.531 108.509,76.531 108.919,76.942 D.1@108.919,80.772 120.447,80.772 122.174,79.045 127.766,79.045 127.969,79.248 F.1@127.969,80.772 136.703,80.772 ; v1(135.814,39.192) 136.35,39.192 137.058,39.9 139.09,39.9 139.243,39.748 MCU.9@139.243,38.726 ; v1(140.538,75.819) 140.538,79.045 ; v1(195.199,80.645) J.1@185.119,80.645 185.119,79.125 184.912,78.918 177.876,78.918 176.022,80.772 H.1@166.069,80.772 166.069,79.248 165.866,79.045 159.614,79.045 157.886,80.772 G.1@147.019,80.772 147.019,79.248 146.816,79.045 140.538,79.045 ; K.1@204.169,80.772 K.1@204.191,80.772 ; v1(204.191,83.998) K.1@204.191,80.772 ; ENTER.1@249.381,80.772 248.945,80.772 247.218,79.045 243.078,79.045 241.351,80.772 L.1@223.219,80.772 223.219,79.248 223.016,79.045 214.633,79.045 212.906,80.772 K.1@204.191,80.772 ; 136.703,80.772 140.233,80.772 140.538,80.467 140.538,79.045 ; 136.703,80.772 138.43,79.045 140.538,79.045
KEY_POST3: <.1 B.1 C.1 M.1 MCU.10 N.1 SHIFT_L.1 SHIFT_R.1 UP.1 V.1 X.1 Z.1 | length 255.9
  Top Layer w0.254: v1(135.611,36.932) 134.598,37.944 134.598,40.056 134.95,40.408 134.95,50.791 134.342,51.399 134.342,52.907 135.814,54.378 v1(135.814,58.903)
  Bottom Layer w0.254: SHIFT_L.1@54.253,61.71 54.559,61.71 54.559,61.062 73.355,61.062 74.422,59.995 80.061,59.995 80.344,60.278 Z.1@80.344,61.722 90.297,61.722 92.024,59.995 99.162,59.995 99.394,60.227 X.1@99.394,61.722 109.347,61.722 111.074,59.995 118.088,59.995 118.444,60.35 C.1@118.444,61.722 129.997,61.722 131.826,59.893 134.315,59.893 135.814,61.392 ; v1(135.611,36.932) 138.405,36.932 138.455,36.982 MCU.10@138.455,38.726 ; v1(135.814,58.903) 135.814,61.392 ; SHIFT_R.1@254.207,61.595 254.207,64.309 253.086,65.43 250.165,65.43 249.758,65.024 249.758,63.479 248.002,61.722 UP.1@232.744,61.722 231.775,61.722 231.775,60.554 231.216,59.995 225.247,59.995 223.647,61.595 <.1@213.694,61.595 213.694,60.147 213.364,59.817 206.477,59.817 204.572,61.722 M.1@194.644,61.722 194.644,60.35 194.288,59.995 187.274,59.995 185.547,61.722 N.1@175.594,61.722 175.594,60.43 175.158,59.995 169.469,59.995 167.742,61.722 B.1@156.544,61.722 156.544,60.278 156.261,59.995 149.174,59.995 147.447,61.722 V.1@137.494,61.722 136.144,61.722 135.814,61.392
KEY_POST4: ALT_L.1 CTRL_L.1 DOWN.1 LIFT.1 MCU.11 RIGHT.1 SPACE_L.1 SPACE_R.1 WIN.1 | length 261.1
  Bottom Layer w0.254: CTRL_L.1@49.356,42.672 49.356,42.545 50.589,41.312 54.774,41.312 55.628,42.166 63.473,42.166 66.346,39.292 66.346,38.546 69.204,38.546 69.672,39.014 69.672,42.672 WIN.1@70.819,42.672 70.819,38.202 71.403,37.617 91.846,37.617 92.282,38.202 ; ALT_L.1@92.282,42.545 92.282,38.202 ; SPACE_L.1@125.683,42.545 125.683,40.183 ; MCU.11@137.668,38.726 137.668,37.694 136.573,37.694 136.473,37.794 134.95,37.794 134.749,37.592 134.747,37.592 ; SPACE_R.1@173.181,42.672 173.181,38.608 ; LIFT.1@211.408,42.545 211.408,41.043 ; RIGHT.1@254.207,42.672 254.207,41.152 254,40.945 248.285,40.945 246.99,42.24 239.215,42.24 238.605,41.631 238.605,40.612 238.15,40.157 235.077,40.157 234.594,40.64 234.594,42.266 234.188,42.672 DOWN.1@232.744,42.672 232.744,41.228 232.461,40.945 226.644,40.945 225.704,41.885 217.475,41.885 214.605,39.014 213.436,39.014 211.408,41.043 ; 92.282,38.202 92.688,37.795 125.277,37.795 125.683,38.202 125.683,40.183 ; 125.683,40.183 128.274,37.592 134.747,37.592 ; 134.747,37.592 134.747,36.576 135.306,36.017 171.599,36.017 173.181,37.6 173.181,38.608 ; 173.181,38.608 175.137,36.652 215.036,36.652 215.367,36.982 215.367,38.202 214.859,38.71 212.119,38.71 211.408,39.421 211.408,41.043
KEY_SEG1: D1.2 D13.2 D24.2 D35.2 MCU.28 | length 202
  Top Layer w0.254: v1(44.425,44.907) 44.425,44.983 45.745,46.304 45.745,60.046 49.479,63.779 v1(49.479,64.084) v1(49.479,73.66) ; v1(45.542,36.932) 106.756,36.932 107.62,36.068 135.966,36.068 136.474,36.576 136.474,37.795 135.966,38.303 135.382,38.303 134.952,38.733 134.952,39.624 135.407,40.08 135.407,51.918 135.28,52.045 v1(135.204,52.045)
  Bottom Layer w0.254: D1.2@43.129,96.774 43.129,92.939 42.672,92.481 37.389,92.481 36.921,92.014 36.921,86.904 39.395,84.43 39.395,80.899 40.462,79.832 43.917,79.832 45.542,78.207 D13.2@45.542,77.724 45.542,74.371 46.253,73.66 v1(49.479,73.66) ; v1(44.425,44.907) 43.739,44.221 43.739,40.488 44.298,39.929 45.542,39.929 D35.2@45.542,39.624 v1(45.542,36.932) ; v1(49.479,64.084) 48.616,63.221 48.616,60.528 49.174,59.969 50.521,59.969 50.749,59.741 D24.2@50.749,58.674 ; v1(135.204,52.045) 135.336,52.176 140.686,52.176 141.3,51.562 141.3,51.283 141.605,51.283 MCU.28@141.605,50.428
KEY_SEG2: D2.2 D14.2 D36.2 MCU.29 | length 151.3
  Top Layer w0.254: v1(62.179,93.497) 69.291,86.385 v1(69.291,78.181) ; v1@69.317,78.156 69.317,62.433 71.831,59.919 71.831,42.393 69.19,39.751 v1(68.783,39.751) 70.256,38.278 105.791,38.278 110.16,42.647 119.081,42.647 120.706,44.272 121.539,44.272 121.971,44.704 121.971,45.923 122.504,46.457 v1(126.416,46.457)
  Bottom Layer w0.254: v1(62.179,93.497) D2.2@62.179,96.774 ; D36.2@67.132,39.624 67.132,39.751 v1(68.783,39.751) ; D14.2@67.259,77.851 D14.2@67.259,78.156 ; v1@69.317,78.156 v1(69.291,78.181) ; v1(126.416,46.457) 130.454,50.495 132.297,50.495 134.722,52.919 137.12,52.919 137.509,52.53 140.84,52.53 141.707,51.664 142.138,51.664 142.392,51.41 MCU.29@142.392,50.428 ; D14.2@67.259,78.156 69.266,78.156 v1(69.291,78.181) ; D14.2@67.259,78.156 v1(69.291,78.181)
KEY_SEG3: D3.2 D15.2 D25.2 D37.2 MCU.30 | length 149.8
  Top Layer w0.254: v1(81.229,91.745) 79.908,90.424 79.908,81.128 v1(84.303,76.733) ; v1(86.309,76.022) 82.296,72.009 v1(82.296,54.864) 82.296,43.612 v1(86.462,39.446) ; v1(140.792,56.687) 140.792,53.95 v1(142.215,52.527)
  Bottom Layer w0.254: D25.2@76.835,58.674 76.835,57.302 ; v1(81.229,91.745) D3.2@81.229,96.774 ; v1(82.296,54.864) 77.241,54.864 76.835,55.27 76.835,57.302 ; v1(84.303,76.733) 85.598,76.733 v1(86.309,76.022) D15.2@86.309,77.724 ; v1(86.462,39.446) 88.722,39.446 D37.2@88.722,39.624 ; v1(140.792,56.687) 137.242,56.687 136.633,56.077 128.25,56.077 127.48,56.846 77.291,56.846 76.835,57.302 ; v1(142.215,52.527) 143.18,51.562 MCU.30@143.18,50.428
KEY_SEG4: D4.2 D16.2 D26.2 MCU.12 | length 144.6
  Top Layer w0.254: v1(95.047,92.507) 95.047,71.78 97.866,68.961 ; v1(95.707,81.661) 95.707,71.78 97.866,69.621 97.866,68.961 ; v1(96.215,39.472) 96.215,57.023 v1(97.866,58.674) ; v1(97.866,58.979) 97.866,68.961
  Bottom Layer w0.254: v1(95.047,92.507) 99.72,92.507 100.279,93.066 D4.2@100.279,96.774 ; v1(95.707,81.661) 98.35,81.661 98.958,81.053 101.294,81.053 103.302,79.045 105.029,79.045 105.232,78.842 D16.2@105.232,77.724 ; v1(96.215,39.472) 108.077,39.472 110.338,41.732 119.075,41.732 119.712,41.095 119.712,39.444 120.837,38.319 123.485,38.319 124.181,39.014 124.181,43.891 124.333,44.044 128.93,44.044 129.489,43.485 129.489,40.843 130.4,39.932 133.125,39.932 133.833,40.64 MCU.12@135.754,40.64 ; v1(97.866,58.674) D26.2@96.088,58.674 96.088,58.979 v1(97.866,58.979)
KEY_SEG5: D5.2 D17.2 D27.2 D38.2 MCU.18 | length 104.4
  Top Layer w0.254: v1(120.752,45.187) 120.752,47.955 ; v1(120.752,58.445) v1@120.752,57.734 ; v1(127.508,92.507) 127.508,78.359 v1(128.524,77.343) 128.524,72.568 120.548,64.592 v1(120.548,57.937) v1@120.752,57.734 ; v1(133.223,47.422) 121.285,47.422 120.752,47.955 ; 120.752,47.955 v1@120.752,57.734
  Bottom Layer w0.254: D27.2@115.138,58.674 D27.2@115.138,58.445 ; D5.2@119.329,96.774 119.329,93.066 119.888,92.507 v1(127.508,92.507) ; v1(120.548,57.937) 115.138,57.937 D27.2@115.138,58.445 ; v1(120.752,45.187) 120.752,44.78 120.066,44.095 120.066,41.83 121.306,40.589 121.996,40.589 D38.2@121.996,39.751 ; v1(120.752,58.445) D27.2@115.138,58.445 ; D17.2@124.663,77.724 124.663,77.343 v1(128.524,77.343) ; v1(133.223,47.422) 133.096,47.422 132.944,47.269 132.944,45.923 133.579,45.288 134.798,45.288 134.874,45.364 MCU.18@135.754,45.364